# KiCad board AmigaPCI Mainboard.kicad_pcb (continued)
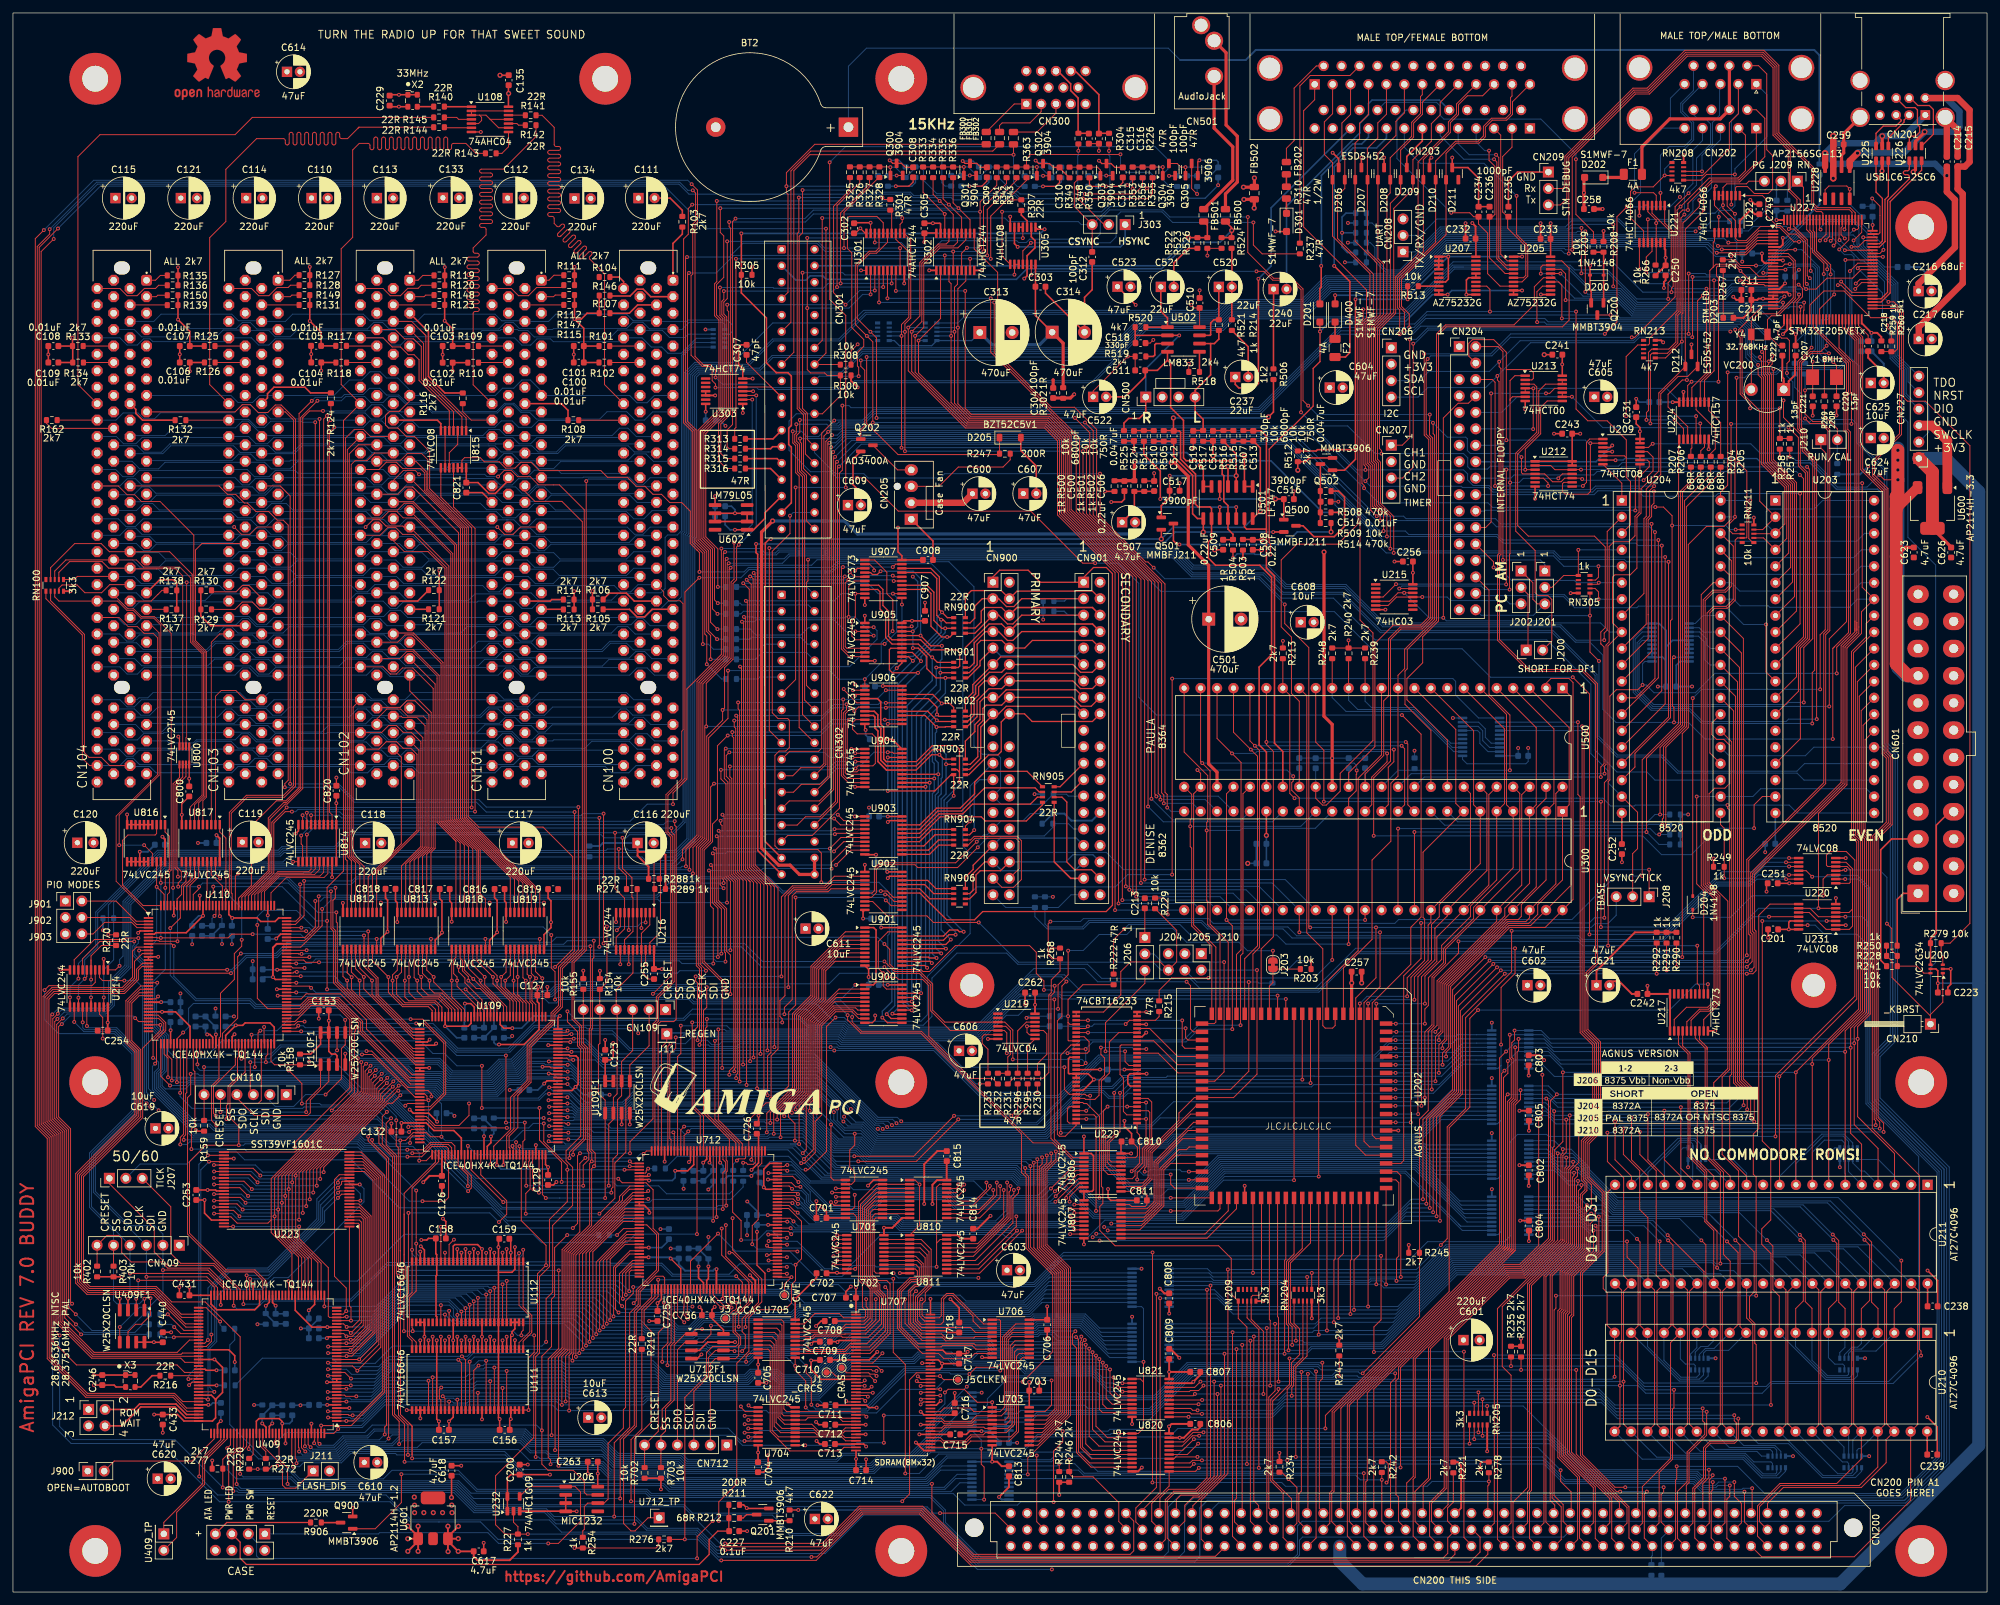
[diagram p0: board, top side]
## Routing (per net, layer and track width the routed paths; a pad name or vN(x,y) marks a point on that pad's centre or on a via; arc(x,y) is an arc through that point) (continued)
  Bottom w0.15: v1(49.93,104.95) 47.07,104.95 42.54,109.48 29.29,109.48 v1(28.73,108.92) 25.52,108.92 v1(25.51,108.92)
_LVFRAME: length 7.2
  Top w0.15: U110.137 26.34,108.96 27.38,110 U817.13
_LVIRDY: length 64.3
  Top w0.15: U817.12 26.72,111.02 v1(26.72,111.01) 26.72,109.77 26.04,109.09 26.04,107.72 25.34,107.02 U110.139 ; U109.11 62.05,81.94 49.78,94.21 49.78,102.17 49.4,102.55 49.4,106.79 49.78,107.17 49.78,108.75 v1(49.79,108.76)
  Bottom w0.15: v1(49.79,108.76) 44.12,108.76 42.44,110.44 33.75,110.44 33.17,111.01 v1(26.72,111.01)
_LVPERR: length 87.9
  Top w0.15: U109.37 63.82,66.61 v1(62.73,66.61) ; U110.143 23.34,107.74 v1(22.19,108.89) 22.18,108.9 U816.18
  Bottom w0.15: v1(62.73,66.61) 62.73,67.83 61.74,68.82 61.04,68.82 61.04,68.82 58.1,68.82 56.43,70.49 56,70.49 55.24,71.24 31.04,71.24 30.31,71.97 27.98,71.97 22.13,77.82 22.13,80.16 22.78,80.81 22.78,85.49 21.28,87 21.28,99.74 22.19,100.66 v1(22.19,108.89)
_LVRAS0: length 47.8
  Top w0.15: v1(163.23,55.28) 163.24,55.28 165.36,55.28 ; v1(120.17,55.26) 119.73,55.7 U712.87
  Bottom w0.15: v1(120.17,55.26) 120.53,55.62 132.33,55.62 132.44,55.51 153.94,55.51 154.18,55.28 v1(163.23,55.28)
_LVRAS1: length 48.6
  Top w0.15: U712.88 120.07,56.2 v1(120.08,56.19) ; v1(163.86,55.94) 163.87,55.94 U807.8
  Bottom w0.15: v1(120.08,56.19) 120.34,55.93 132.33,55.93 133.23,56.82 135.9,56.82 136.91,55.81 154.13,55.81 154.65,56.33 162.63,56.33 163.02,55.94 v1(163.86,55.94)
_LVSTOP: length 151.9
  Top w0.15: v1(61.63,20.65) 61.63,25.62 61.2,26.06 ; 60.4,58.36 60.4,50.61 ; 60.4,58.36 60.4,50.45 60.56,50.29 60.56,48.48 59.84,47.75 59.84,27.42 61.2,26.06 ; 60.4,58.36 60.4,61.57 65.23,66.4 U109.38 ; 61.62,21.29 61.62,25.63 61.2,26.06 ; 61.62,21.29 61.63,21.28 ; 61.62,21.29 61.62,21.18
  Bottom w0.15: v1(61.63,20.65) 76.11,20.65 80.02,16.74 100.5,16.74 101.38,15.87 143.89,15.87 145.55,17.52 U809.6
_LVSYSERR: length 195.9
  Top w0.13: 20.93,104.76 15.93,109.76 15.93,119.82 22.34,126.22 22.34,147.34 21.64,148.04 20.24,148.04 19.2,149.08 17.78,149.08 16.38,150.48 15.56,150.48
  Top w0.15: 15.56,150.48 CN104.B42 ; U110.1 20.93,104.76
  Bottom w0.13: 74.11,150.63 77.09,150.63 78.36,149.36 79.88,149.36 81,150.47 94.27,150.47 ; 94.35,150.55 97.62,150.55 98.84,151.77 99.95,151.77 101.16,152.98 102.5,152.98 103.18,153.66 103.18,163.5 103.46,163.78 103.46,190.9 104.8,192.24 RN101.6 ; CN101.B42 60.96,150.48 59.84,151.6 58.2,151.6 57.23,150.63 53.79,150.63 ; 33.47,150.63 36.45,150.63 37.71,149.37 39.15,149.37 40.26,150.48 53.63,150.48 ; CN104.B42 16.11,150.48 17.22,149.38 18.94,149.38 20.04,150.48 CN103.B42
_LVTRDY: length 75.6
  Top w0.15: U109.12 62.13,81.44 49.48,94.09 49.48,102.05 49.1,102.43 v1(49.1,108.21) ; v1(25.47,110.46) 25.47,111.36 25.02,111.81 25.02,124.68 26.21,125.87 U800.6
  Bottom w0.15: v1(25.47,110.46) 27.46,110.46 27.72,110.71 33.05,110.71 33.63,110.13 42.31,110.13 44.24,108.21 v1(49.1,108.21)
_LVTS: length 279
  Top w0.15: v1(60.99,21.18) 60.99,25.84 59.53,27.3 59.53,47.87 60.26,48.6 60.26,49.89 59.81,50.34 59.81,52.69 59.8,52.7 v1(59.8,69.74) 60.6,69.74 61.8,70.94 U109.33 63.83,70.94 64.46,70.31 v1(66.16,70.31) ; v1(43.22,19.36) 43.22,19.88 43.06,20.04 43.06,24.47 ; v1(64.62,76.53) 64.62,76.92 64.1,77.44 U109.20 ; U712.137 102.12,70.84 v1(101.97,70.99) ; U110.21 v1(22.28,94.09)
  Bottom w0.15: v1(101.97,70.99) 89.66,70.99 89.18,71.46 83.53,71.46 83.34,71.27 78.74,71.27 77.17,69.7 66.77,69.7 v1(66.16,70.31) 66.16,75.39 65.02,76.53 v1(64.62,76.53) ; U809.7 145.77,18.18 143.76,16.16 101.66,16.16 100.49,17.34 79.85,17.34 76.01,21.18 v1(60.99,21.18) 59.28,21.18 59.06,21.4 52.15,21.4 50.71,19.96 44.83,19.96 44.23,19.36 v1(43.22,19.36) ; v1(59.8,69.74) 59.1,69.74 56.7,72.14 32.87,72.14 32.16,72.85 27.95,72.85 22.73,78.07 22.73,79.91 23.38,80.56 23.38,85.74 21.88,87.24 21.88,93.32 22.28,93.73 v1(22.28,94.09)
_MC1: length 197.4
  Top w0.15: v1(160.18,103.54) 159.84,103.2 159.84,98.38 160.43,97.79 R268.1 161.67,95.88 160.32,94.52 160.32,92.57 159.93,92.18 159.93,80.22 159.03,79.32 154.45,79.32 153.6,78.46 ; v1(251.56,110.56) 251.56,128.5 257.18,134.12 257.18,177.09 257.27,177.19 U224.1
  Bottom w0.15: v1(251.56,110.56) 247.42,110.56 240.7,103.84 213.94,103.84 213.36,103.25 185.32,103.25 184.59,103.99 165.27,103.99 164.82,103.54 v1(160.18,103.54)
_MTR: length 90.9
  Top w0.15: v1(242.1,173.32) 242.09,173.33 240.38,173.33 ; U203.17 275.98,131.77 275.98,145.74 277.36,147.12 277.36,173.39 v1(277.01,173.74) ; U212.12 238.08,173.31 237.43,173.96 U212.2
  Bottom w0.15: v1(242.1,173.32) 248,173.32 248.41,173.74 v1(277.01,173.74)
_PACK: length 315.8
  Top w0.15: U204.24 262,129.57 262,151.19 262.71,151.9 264.65,151.9 265.92,153.17 265.92,162.44 266.26,162.78 RN211.4 267.62,162.78 267.71,162.87 267.71,173.1 v1(266.4,174.41) ; v1(211.3,175.8) 211.3,176.26 210.99,176.58 210.99,194.96 213.49,197.47 213.49,203.09 216.95,206.55 216.95,220.81 221.63,225.49 221.63,227.01 222.89,228.27 222.89,229.79 CN203.10 ; v1(120.4,179.24) 120.4,179.24 120.4,177.46 120.85,177.01 120.85,172.85 121.39,172.32 121.39,133.51 CN302.20
  Bottom w0.15: v1(120.4,179.24) 121.76,179.24 122.58,178.42 124.39,178.42 125.74,179.77 127.56,179.77 127.86,180.07 206.08,180.07 210.35,175.8 v1(211.3,175.8) 223.96,175.8 224.62,175.14 224.62,173.77 224.98,173.41 227.67,173.41 228.11,173.85 232.78,173.85 232.79,173.86 247.91,173.86 248.46,174.41 v1(266.4,174.41)
_PCIBUFEN: length 91.6
  Top w0.15: U110.7 22.2,101.09 22.28,101.01 v1(22.83,101.01) 33.22,101.01 33.8,101.6 33.81,101.59 v1(37.01,101.59) ; v1(81.34,100.85) U819.19 ; v1(56.16,100.85) 56.16,100.29 56.16,100.28 U812.19 ; v1(72.94,100.85) 72.94,100.13 72.94,100.12 U818.19 ; v1(64.54,100.85) U813.19 ; U817.19 31.28,110.88 v1(31.98,110.18) ; U816.19 v1(22.83,109.52)
  Bottom w0.15: v1(22.83,101.01) v1(22.83,109.52) 26.94,109.52 27.6,110.18 v1(31.98,110.18) ; v1(81.34,100.85) v1(72.94,100.85) v1(64.54,100.85) v1(56.16,100.85) 45.13,100.85 44.4,101.59 v1(37.01,101.59)
_PCICYCLE: length 27.3
  Top w0.15: U110.79 44.18,89.59 45.76,91.17 50.07,91.17 53.38,87.86 53.38,86.44 61.39,78.44 U109.18
_PCIEN: length 59.7
  Top w0.15: v1(61.04,71.81) 61.17,71.94 U109.31 ; v1(22.4,91.97) 22.02,91.59 U110.26
  Bottom w0.15: v1(22.4,91.97) 22.18,91.74 22.18,87.37 23.68,85.86 23.68,80.44 23.03,79.79 23.03,78.2 23.53,77.69 26.6,77.69 27.34,78.44 50.41,78.44 53.18,75.66 57.58,75.66 61.04,72.2 v1(61.04,71.81)
_PCIINT: length 100.6
  Top w0.15: U815.8 66.07,169.09 70.82,164.34 v1(70.82,121.16) ; U110.117 36.34,107.52 39.97,111.16 39.97,118.87 v1(42.26,121.16)
  Bottom w0.15: v1(42.26,121.16) v1(70.82,121.16)
_PCIINTEN: length 33.9
  Top w0.15: v1(35.28,82.34) 35.28,83.21 35.34,83.27 U110.62 ; v1(53.89,83.01) 55.49,83.01 62.06,76.44 U109.22
  Bottom w0.15: v1(53.89,83.01) 52.27,83.01 51.1,84.18 41.39,84.18 39.56,82.34 v1(35.28,82.34)
_PCIRST: length 223.7
  Top w0.15: v1(68.81,96.53) 68.81,95.79 69.78,94.81 69.78,94.08 72.43,91.44 72.43,90.11 72.73,89.81 U109.128 ; CN102.A15 61.26,183.94 59.65,182.32 58.16,182.32 57.52,181.68 57.52,180.22 58,179.75 59.43,179.75 60.72,178.46 61.99,178.46 64.34,176.11 64.34,170.4 70.3,164.44 70.3,119.74 71.92,118.12 81.85,118.12 86.42,113.55 86.42,99.24 v1(83.7,96.53)
  Bottom w0.13: CN104.A15 33.66,184.77 34.76,183.67 36.97,183.67 38.07,184.77 CN103.A15 ; 61.26,184.76 74.46,184.76 75.59,185.89 ; CN102.A15 61.26,185.61 59.41,187.47 57.66,187.47 56.7,188.43 55.12,188.43 53.85,187.16 51.94,187.16 49.56,184.77 40.93,184.77
  Bottom w0.15: 81.57,184.76 95.23,184.76 96.35,183.65 97.9,183.65 99.02,184.76 101.89,184.76 ; 75.59,185.89 77.31,185.89 78.58,187.16 79.88,187.16 81.58,185.46 ; v1(83.7,96.53) v1(68.81,96.53)
_PCITIP: length 71.2
  Top w0.15: U110.138 25.84,104.07 v1(24.29,102.52) ; U109.26 64.34,74.44 66.81,76.91 66.81,84.91 63.26,88.46 v1(61.4,88.46)
  Bottom w0.15: v1(61.4,88.46) 53.65,88.46 51.66,90.44 37.45,90.44 36.58,91.31 28.19,91.31 24.29,95.22 v1(24.29,102.52)
_PERR: length 134.3
  Top w0.13: U816.2 22.83,149.3 21.74,150.39 19.74,150.39 18.54,151.59 17.59,151.59 16.15,153.02 CN104.B40
  Top w0.15: CN104.B40 7.09,153.02 6.45,153.67 RN100.3
  Bottom w0.13: CN104.B40 16.51,153.02 17.62,151.91 18.53,151.91 19.51,152.89 33.19,152.89 ; 53.64,153.01 57.14,153.01 58.26,151.9 59.27,151.9 60.23,152.86 71.65,152.86 71.81,153.02 CN101.B40 ; 33.31,153.02 36.82,153.02 37.93,151.91 39.51,151.91 40.48,152.88 53.49,152.88 ; 94.12,152.87 81.12,152.87 80.15,151.9 78.57,151.9 77.45,153.01 73.95,153.01
_PLOCK: length 185.9
  Top w0.13: 15.54,154 17.73,151.82 18.64,151.82 19.84,150.62 21.84,150.62 24.43,148.03 24.43,111.48 24.19,111.24 24.19,108.06 23.84,107.71 U110.142
  Bottom w0.13: 56.11,154.22 53,154.22 51.96,153.18 40.48,153.18 39.37,154.29 CN103.B39 ; 103.22,183.2 103.22,190.98 105.2,192.96 RN101.7 ; 76.5,154.28 80,154.28 81.12,153.17 92.43,153.17 93.47,154.21 96.74,154.21 ; 35.71,154.14 30.7,154.14 29.68,153.12 20.22,153.12 19.05,154.29 CN104.B39 ; 56.18,154.28 59.68,154.28 60.86,153.11 70.31,153.11 71.33,154.13 76.34,154.13 ; 103.22,164.09 103.22,163.87 102.58,163.23 101.08,163.23 100.69,162.84 100.69,154.95 100.03,154.29 CN100.B39
  Bottom w0.15: 103.22,164.09 103.22,183.2
_RAMEN: length 124.9
  Top w0.15: v1(162.92,99.04) 162.92,95.32 161.37,93.77 v1(161.37,90.05) ; J203.1 v1(194.54,99.03) ; v1(101.53,84.68) 101.12,84.27 U712.139
  Bottom w0.15: v1(162.92,99.04) 162.94,99.06 165.24,99.06 167.71,101.53 171.98,101.53 172.93,102.49 179.07,102.49 181.22,100.34 189.3,100.34 190.61,99.03 v1(194.54,99.03) ; v1(161.37,90.05) 156.24,90.05 155.25,89.06 153.38,89.06 149.45,85.13 128.11,85.13 127.5,85.73 104.88,85.73 103.82,84.68 v1(101.53,84.68)
_RAMSPACE: length 82.2
  Top w0.15: U409.48 42.58,47.62 42.56,47.64 v1(42.56,48.02) ; U712.130 105.62,55.28 v1(105.61,55.27)
  Bottom w0.15: v1(42.56,48.02) 53.18,48.02 60.4,55.24 80.32,55.24 81.61,53.95 94.79,53.95 96.11,55.27 v1(105.61,55.27)
_RAS0: length 21.4
  Top w0.15: U202.57 188.91,59.18 184.36,54.63 U807.11
_RAS1: length 20
  Top w0.15: 171.08,55.28 184.06,55.28 187.64,58.87 U202.56
_REGEN: length 122.1
  Top w0.15: J11.1 100.95,84.95 100.12,84.12 U712.141 ; U202.23 v1(196.53,91.57)
  Bottom w0.15: v1(196.53,91.57) 161.98,91.57 161.51,92.04 155.51,92.04 149.2,85.73 128.36,85.73 127.75,86.33 103.64,86.33 ; 103.64,86.33 100.76,86.33 ; 103.64,86.33 101.09,86.33
_REGSPACE: length 106.7
  Top w0.15: v1(35.08,18.25) 35.08,21.49 36.08,22.49 U409.120 ; v1(93.76,14.44) 93.76,23.54 94.94,24.73 94.94,24.74 95.94,25.73 95.94,43.38 96.84,44.28 96.84,46.38 99.23,48.77 100.37,48.77 100.62,48.52 U712.41
  Bottom w0.15: v1(93.76,14.44) 71.13,14.44 68.69,16.88 43.91,16.88 43.01,17.78 35.55,17.78 v1(35.08,18.25)
_REQ0: length 116.2
  Top w0.13: v1(49.61,179.86) 48.87,179.11 48.87,120.44 49.28,120.03 U814.2 ; R108.1 94.28,180.96
  Bottom w0.13: v1(49.61,179.86) 54.1,179.86 55.08,180.84 56.96,180.84 57.94,179.86 59.41,179.86 60.35,180.8 61.72,180.8 62.66,179.86 74.42,179.86 75.4,180.84 77.09,180.84 78.07,179.86 80.07,179.86 81.11,180.9 94.22,180.9
_REQ1: length 96.3
  Top w0.13: CN101.B18 70.75,180.96 69.45,182.27 R116.1
  Top w0.15: v1(48.47,181.62) 47.97,181.12 U814.4
  Bottom w0.13: v1(48.47,181.62) 48.92,182.07 54.36,182.07 55.3,181.13 56.93,181.13 57.88,182.08 59.57,182.08 60.52,181.13 73.8,181.13
_REQ2: length 69.8
  Top w0.13: v1(49.04,180.96) 49.04,181.54 49.09,181.59 R124.1
  Top w0.15: U814.3 48.62,180.55 v1(49.04,180.96)
  Bottom w0.13: CN102.B18 v1(49.04,180.96)
_REQ3: length 83
  Top w0.13: R132.1 33.32,180.96
  Top w0.15: U814.6 46.68,180.63 v1(46.67,180.64)
  Bottom w0.13: v1(46.67,180.64) 44.68,180.64 44.52,180.8 39.8,180.8 38.86,179.86 37.61,179.86 36.39,181.08 33.44,181.08
_REQ4: length 106.1
  Top w0.13: 6.54,180.97 13,180.97
  Top w0.15: U814.5 47.32,181.13 v1(47.34,181.15)
  Bottom w0.13: v1(47.34,181.15) 39.78,181.15 38.86,182.07 37.92,182.07 36.65,183.34 35.41,183.34 34.17,182.1 22.79,182.1 21.87,181.18 20.19,181.18 19.3,182.07 17.01,182.07 15.91,180.96 CN104.B18
_RESETA: length 424.9
  Top w0.15: v1(269.15,45.76) 269.14,45.76 269.14,64.07 268.71,64.51 268.71,70.73 269.55,71.57 269.55,104.5 271.28,106.23 275.74,106.23 ; v1(108.98,10.98) 108.98,13.92 111.76,16.7 111.76,35.33 113.63,37.2 113.63,42.39 114.84,43.6 119.18,43.6 120.21,44.62 120.21,47.47 120.83,48.1 v1(120.83,50.54) 121.75,51.46 121.75,57.25 119.78,59.22 118.06,59.22 ; U409.62 v1(35.58,44.46) ; v1(238.23,45.76) 238.23,43.83 237.95,43.55 237.95,14.9 239.35,13.5 239.35,10.89 240.59,9.65
  Bottom w0.15: v1(238.23,45.76) v1(269.15,45.76) ; v1(108.98,10.98) 117.72,10.98 119.96,8.74 127.78,8.74 131.24,12.2 140.63,12.2 143.82,9.01 143.92,9.01 148.89,4.04 196.96,4.04 198.64,5.72 198.64,8.01 199.12,8.49 239.43,8.49 240.59,9.65 ; v1(35.58,44.46) 37.89,44.46 38.67,45.24 52.15,45.24 57.8,50.89 79.2,50.89 79.3,50.99 92.09,50.99 92.31,50.77 100.19,50.77 101.89,49.07 110.59,49.07 112.19,50.68 117.73,50.68 117.81,50.76 120.16,50.76 120.38,50.54 v1(120.83,50.54)
_RESETB: length 456.5
  Top w0.15: U109.25 64.42,74.94 66.51,77.03 66.51,84.79 63.49,87.81 v1(62.26,87.81) ; U902.5 126.29,108.59 125.84,108.14 125.84,108.14 120.97,108.14 120.31,107.49 120.31,91.49 119.11,90.29 v1(119.11,89.23) ; U209.12 252.53,176.75 253.09,177.31 v1(253.18,177.31) ; v1(26.28,86.4) 25.34,85.46 U110.42 ; v1(285.52,171.23) 285.52,155.16 U203.34 285.41,151.36 285.41,148.02 283.17,145.78 283.17,124.65 278.77,120.25 v1(278.77,105.58) U231.6
  Bottom w0.15: v1(285.52,171.23) 281.49,171.23 276.86,175.86 269.76,175.86 268.32,177.31 v1(253.18,177.31) ; v1(26.28,86.4) 27.12,87.24 27.12,90.14 27.86,90.88 36.59,90.88 37.33,90.14 51.54,90.14 53.88,87.81 v1(62.26,87.81) 64.84,87.81 68.67,83.97 76.48,83.97 80.81,88.3 103.64,88.3 104.57,89.23 v1(119.11,89.23) 121.08,89.23 122.77,87.53 128.25,87.53 128.85,86.93 148.7,86.93 157.08,95.31 162.36,95.31 164.73,92.94 201.51,92.94 207.44,98.87 262.83,98.87 269.54,105.58 v1(278.77,105.58) ; U204.34 265.64,153.32 266.67,152.29 271.02,152.29 271.26,152.06 283.55,152.06 284.81,153.32 U203.34
_ROMEN: length 257.4
  Top w0.15: v1(40.81,19.51) 40.03,19.51 39.49,18.98 R272.2 ; v1(247.29,33.24) U210.20 246.13,41.19 246.13,46.27 245.54,46.86 245.54,48.59 246.25,49.3 246.25,61.76 U211.20 ; v1(160.67,13.91) 160.67,13.91 160.67,21.75 162.08,23.17 v1(162.08,24.84)
  Bottom w0.15: v1(160.67,13.91) 155.58,13.91 155.1,13.43 146.95,13.43 145.19,15.2 98.59,15.2 97.93,15.87 71.68,15.87 68.75,18.8 58.52,18.8 57.2,17.48 44.3,17.48 42.27,19.51 v1(40.81,19.51) ; v1(162.08,24.84) 169.07,24.84 169.36,25.13 173.96,25.13 182.14,33.31 197.45,33.31 197.91,32.85 246.9,32.85 v1(247.29,33.24)
_RSTOUT: length 167.1
  Top w0.15: CN200.c41 256.71,8.14 256.71,17.29 256.88,17.46 v1(256.88,19.4) ; v1(282.9,110.09) U220.2 ; v1(282.93,104.28) 278.77,104.28 277.47,105.58 275.74,105.58
  Bottom w0.15: v1(282.93,104.28) 285.54,104.28 286.4,103.41 286.4,102.85 286.4,103 ; 286.4,103 286.4,75.52 297.09,64.83 297.09,20.85 291.47,15.22 270.47,15.22 266.29,19.4 v1(256.88,19.4) ; 286.4,103 286.4,108.61 284.93,110.09 v1(282.9,110.09)
_RTCEN: length 496
  Top w0.15: v1(6.92,89.3) 6.15,88.53 6.15,73.01 8,71.16 8,42.33 9.75,40.58 9.75,40.56 v1(10.52,39.79) ; v1(256.46,144.35) 256.22,144.11 256.22,136.84 256.46,136.6 v1(256.46,134.29) ; 281.25,145.99 280.96,145.7 ; 281.25,145.99 283.4,148.14 283.4,179.01 283,179.42 283,184.89 283.4,185.29 283.4,189.82 277.95,195.27 U227.35 ; 281.25,145.99 280.98,145.72 v1(280.98,131.72) ; v1(103.38,113.14) 103.38,114.63 105.62,116.88 105.62,140.6 109.68,144.66 109.68,160.34 v1(109.95,160.61)
  Bottom w0.15: v1(109.95,160.61) 109.95,160.61 115.47,160.61 115.92,160.16 117.86,160.16 118.31,160.6 179.4,160.6 182.03,157.97 193.42,157.97 196.41,154.98 205.58,154.98 211.51,149.05 238.87,149.05 241.24,146.68 243.48,146.68 245.48,144.68 245.48,136.32 247.51,134.29 v1(256.46,134.29) 258.69,134.29 261.26,131.72 v1(280.98,131.72) ; v1(6.92,89.3) 7.48,89.86 14.08,89.86 15.05,90.83 15.05,94.12 17.6,96.67 17.6,106.42 23.32,112.14 102.39,112.14 102.9,112.65 102.9,112.66 v1(103.38,113.14) ; v1(256.46,144.35) 256.46,144.35 U201.19 ; v1(10.52,39.79) R275.2
_RxD: length 106.9
  Top w0.15: U205.19 239.14,205.56 240.27,204.43 240.27,196.41 239.23,195.37 221.31,195.37 220.1,194.16 220.1,149.95 217.66,147.51 217.66,143.49 215.23,141.06 215.23,137.79 221.47,131.55 U500.41
_SEL0: length 98.1
  Top w0.15: v1(274.14,179.81) 275.67,178.28 275.67,173.89 276.75,172.8 276.75,147.37 275.38,145.99 275.38,141.33 U203.13 ; v1(240.7,184.57) U213.9 U213.10
  Bottom w0.15: CN204.10 229.85,182.16 232.26,184.57 v1(240.7,184.57) 245.47,179.81 274.14,179.81 v1(274.14,179.81)
_SEL1: length 108.6
  Top w0.15: U203.14 275.68,139.09 275.68,145.86 277.06,147.24 277.06,172.93 275.97,174.01 275.97,178.79 273.37,181.39 v1(273.37,184.01) ; v1(234.73,179.57) 234.73,185.85 v1(234.75,185.88) U213.4 U213.5
  Bottom w0.15: v1(234.75,185.88) 255.31,185.88 257.17,184.01 v1(273.37,184.01) ; v1(234.73,179.57) 234.68,179.62 CN204.12
_SIDE: length 55.9
  Top w0.15: U203.12 270.68,142.07 v1(270.68,149.41)
  Bottom w0.15: 226.19,153.88 233.69,153.88 233.85,153.71 239.41,153.71 241.13,151.99 250.74,151.99 250.99,152.24 264.37,152.24 267.2,149.41 v1(270.68,149.41)
_SPIAEN: length 293.4
  Top w0.15: R292.2 v1(253.79,95.48) ; v1(267.7,95.48) 268.65,95.48 269.13,95.96 269.13,102.05 268.9,102.28 268.9,110.81 282.87,124.78 282.87,145.91 285,148.04 285,149.02 285,149.02 285,193.55 283.45,195.1 U227.46 ; v1(220.33,57.32) 220.33,73.47 223.78,76.92 223.78,88.92 v1(230.34,95.48)
  In3.Cu w0.15: v1(167.79,54.27) 167.79,53.58 161.34,47.13 161.34,38.67 159.63,36.97 159.63,18.19 159.3,17.85 159.3,12.17
  Bottom w0.15: v1(220.33,57.32) 214.67,57.32 211.62,54.27 v1(167.79,54.27) ; v1(267.7,95.48) v1(253.79,95.48) v1(230.34,95.48)
_SPIBEN: length 301.6
  Top w0.15: 284.7,149.71 284.7,148.54 ; 284.7,149.71 284.7,148.56 284.7,148.55 284.7,148.16 282.57,146.03 282.57,124.9 268.61,110.94 268.61,102.02 268.83,101.79 268.83,96.5 v1(268.33,96) ; 284.7,149.71 284.7,193.43 282.95,195.18 U227.45 ; R291.2 255.31,96.01 v1(255.32,96) ; v1(219.81,58.03) 219.81,73.34 219.79,73.36 223.48,77.04 223.48,89.75 v1(229.73,96)
  In3.Cu w0.15: v1(166.71,54.8) 166.71,53.35 160.74,47.38 160.74,38.92 159.04,37.21 159.04,18.44 155.48,14.88 155.48,8.37 156.76,7.09
  Bottom w0.15: v1(166.71,54.8) 166.72,54.79 211.72,54.79 214.96,58.03 v1(219.81,58.03) ; v1(229.73,96) v1(255.32,96) v1(268.33,96)
_SPICEN: length 297.3
  Top w0.15: U227.44 282.45,195.25 284.4,193.31 284.4,149.94 ; 284.4,149.94 284.4,148.43 284.4,148.43 ; 284.4,149.94 284.4,148.28 282.27,146.15 282.27,125.02 268.31,111.06 268.31,101.82 268.53,101.59 268.53,97.35 v1(267.7,96.53) ; R290.2 256.84,96.54 v1(256.85,96.53) ; v1(219.28,58.65) 219.28,73.27 223.18,77.17 223.18,90.51 v1(229.14,96.47)
  In3.Cu w0.15: 156.76,9.63 158.05,10.92 158.05,17.03 159.33,18.31 159.33,37.09 161.04,38.8 161.04,47.26 167.26,53.48 v1(167.26,55.32)
  Bottom w0.15: 167.49,55.32 167.49,55.32 167.7,55.32 ; 167.7,55.32 v1(167.26,55.32) ; 167.7,55.32 211.82,55.32 215.15,58.65 v1(219.28,58.65) ; v1(229.14,96.47) 229.2,96.53 v1(256.85,96.53) v1(267.7,96.53)
_STEP: length 76.4
  Top w0.15: U203.10 275.93,149.5 v1(275.93,169.63)
  Bottom w0.15: v1(275.93,169.63) 275.92,169.63 263.28,169.63 262.86,169.21 251.71,169.21 250.88,170.05 244.71,170.05 244.12,169.46 CN204.20
_STMRST: length 90
  Top w0.15: J210.1 279.15,176.64 279.82,175.97 279.82,148.61 279.03,147.82 v1(279.03,139.39) ; D204.2 v1(259.36,138.03)
  Bottom w0.15: v1(279.03,139.39) 260.72,139.39 v1(259.36,138.03)
_STOP: length 297
  Top w0.13: v1(156.69,18.17) 156.69,20.71 163.28,27.3 163.28,50.05 159.65,53.68 159.65,65.03 161.55,66.93 161.55,68.35 160.53,69.36 157.5,69.36 140.28,86.59 131.03,86.59 129.57,88.05 v1(129.57,88.79) ; v1(98.81,92.38) 101.51,95.07 101.51,116.6 100.83,117.28 100.83,123.14 103.26,125.57 103.26,132.94 103.47,133.15 103.47,152.61 103.01,153.07 101.26,153.07 100.48,153.85 100.48,154.45 CN100.A38
  Top w0.15: CN104.A38 14.94,155.56 13.69,154.31 11.11,154.31 9.91,155.51 7.59,155.51 7.09,155.01 RN100.4
  Bottom w0.13: 99.35,155.55 96.5,155.55 95.39,154.44 93.81,154.44 92.84,155.41 79.17,155.41 ; 58.71,155.56 55.87,155.56 54.75,154.45 53.17,154.45 52.2,155.42 38.54,155.42 ; 58.86,155.41 72.53,155.41 73.5,154.44 75.08,154.44 76.19,155.55 79.04,155.55 ; v1(156.69,18.17) 156.69,18.18 U809.14 ; v1(129.57,88.79) 129.57,89.62 127.76,91.43 105.62,91.43 104.68,92.38 v1(98.81,92.38) ; 18.23,155.42 31.89,155.42 32.86,154.45 34.44,154.45 35.56,155.56 CN103.A38
_TACK: length 360.8
  Top w0.15: v1(93.46,63.81) 94.07,63.2 U712.7 97.76,63.2 98.84,62.12 98.84,56.15 99.66,55.33 99.66,49.62 96.54,46.5 96.54,44.4 95.22,43.09 95.22,25.44 92.84,23.06 92.84,11.67 v1(92.83,11.66) ; U109.21 63.55,76.94 63.93,76.57 63.93,76.18 v1(64.17,75.94) 64.16,75.94 U109.23 ; U110.93 42.99,96.59 43.21,96.37 v1(45.02,96.37) ; U110.75 43.46,87.59 43.96,88.09 v1(45.03,88.09) ; v1(34.54,16.68) 34.54,21.38 35.58,22.42 U409.119 ; v1(109.36,6.99) 124.85,6.99 130.81,12.95 140.34,12.95 148.07,5.22 220.77,5.22 221.53,5.98 221.53,8.37 222.81,9.65 221.51,10.95 221.51,13 222.39,13.88 R221.2
  In2.Cu w0.15: v1(45.75,81.9) 45.03,82.62 v1(45.03,88.09) 45.03,96.36 v1(45.02,96.37)
  Bottom w0.15: v1(109.36,6.99) 108.6,6.99 105.74,9.85 97.95,9.85 96.14,11.66 v1(92.83,11.66) 83.56,11.66 82.36,12.86 71.44,12.86 68.32,15.97 35.24,15.97 v1(34.54,16.68) ; v1(45.75,81.9) 49.7,81.9 53.89,77.71 58.07,77.71 59.85,75.94 v1(64.17,75.94) 64.17,75.93 64.17,71.19 71.46,63.89 93.38,63.89 v1(93.46,63.81)
_TBI: length 422.5
  Top w0.15: v1(175.94,16.92) 175.95,16.93 v1(175.95,52.44) ; 227.89,18.42 v1(227.89,17.08) 227.89,16.56 227.72,16.39 CN200.a30 ; U109.19 60.99,77.94 55.39,83.53 v1(54.59,83.53) ; v1(95.96,10.53) 95.96,23.63 98.53,26.21 98.53,40.3 97.45,41.38 97.45,43.48 99.62,45.65 U712.39 99.62,48.22 v1(99.62,48.22) ; U110.34 22.74,87.59 v1(22.76,87.57) 22.76,86.72 20.03,83.98 20.03,73.26 10.88,64.12 10.88,48.2 11.92,47.17 22.14,47.17 24.51,44.8 29.69,44.8 35.08,39.41 U409.118 35.08,22.34 34.01,21.27 v1(34.01,15.6)
  Bottom w0.15: v1(54.59,83.53) 52.19,83.53 51.24,84.48 41.26,84.48 39.87,83.08 32.44,83.08 31.8,82.44 25.11,82.44 23.98,83.57 23.98,85.99 23.13,86.83 23.13,87.2 v1(22.76,87.57) ; v1(175.94,16.92) 177.04,16.92 177.04,16.92 195.89,16.92 196.48,16.33 218.37,16.33 219.12,17.08 v1(227.89,17.08) ; v1(99.62,48.22) 119.59,48.22 120.03,47.78 157.55,47.78 162.21,52.44 v1(175.95,52.44) ; v1(95.96,10.53) 83.84,10.53 82.11,12.26 71.19,12.26 68.07,15.38 34.81,15.38 34.59,15.6 v1(34.01,15.6)
_TCI: length 375.8
  Top w0.15: v1(33.31,13.94) 33.31,21 34.58,22.27 U409.117 ; v1(18.87,88.62) 19.4,88.09 U110.33 ; R276.2 103.74,8.13 v1(103.74,8.13) 103.74,30.05 107.07,33.38 107.07,36.96 108.02,37.91 111.6,37.91 112.06,38.36 112.06,39.29 111.18,40.17 111.18,42.82 112.31,43.95 112.31,45.14 112.12,45.33 U712.64 ; v1(9.12,44.53) 8.9,44.75 8.9,71.53 7.05,73.38 7.05,87.32 7.43,87.7 v1(7.54,87.7) ; CN200.c30 227.72,5.84 225.9,4.02 148,4.02 139.97,12.05 131.18,12.05 124.02,4.89 v1(109.36,4.89)
  Bottom w0.15: v1(9.12,44.53) 6.13,41.54 6.13,25.79 8.98,22.94 22.9,22.94 31.14,14.7 ; v1(7.54,87.7) 8.8,88.96 18.53,88.96 v1(18.87,88.62) ; 31.08,14.75 31.89,13.94 v1(33.31,13.94) 58.22,13.94 61.34,10.83 65.76,10.83 65.78,10.82 65.79,10.83 72.19,10.83 74.89,8.13 v1(103.74,8.13) 105.76,8.13 109,4.89 v1(109.36,4.89)
_TEA: length 329
  Top w0.15: CN200.c28 222.64,5.84 221.72,4.92 147.95,4.92 140.22,12.65 130.93,12.65 124.75,6.46 v1(109.95,6.46) ; U409.116 34.08,22.19 32.4,20.51 v1(32.4,16.15) ; U110.10 19.08,99.59 18.47,98.97 18.47,94.94 16.85,93.33 6,93.33 4.65,91.98 4.65,72.39 6.5,70.54 6.5,40.35 v1(7.21,39.64)
  Bottom w0.15: v1(109.95,6.46) 108.7,6.46 105.62,9.55 97.83,9.55 96.25,11.13 83.67,11.13 82.24,12.56 71.31,12.56 68.2,15.68 35,15.68 34.52,16.15 v1(32.4,16.15) 25.01,23.54 9.23,23.54 7.21,25.56 v1(7.21,39.64)
_TRDY: length 132.2
  Top w0.13: U800.3 26.21,156.91 25.11,158.01 22.22,158.01
  Top w0.15: RN100.7 7.09,157.46 8.75,159.12 13.77,159.12 14.78,158.1 CN104.A36 ; 22.22,158.01 18.18,158.01
  Bottom w0.13: CN103.A36 34.9,158.1 33.78,156.98 32.11,156.98 23.42,156.98 22.44,157.96 18.23,157.96 ; 58.71,158.1 55.21,158.1 54.09,156.98 43.73,156.98 42.75,157.96 38.54,157.96 ; 79.17,157.95 83.38,157.95 84.36,156.97 94.72,156.97 95.84,158.09 99.35,158.09 ; 79.04,158.09 75.54,158.09 74.41,156.97 64.05,156.97 63.07,157.95 58.86,157.95
_TS: length 67.5
  Top w0.15: R242.2 v1(211.35,17.33) 211.35,10.95 212.65,9.65
  Bottom w0.15: U809.13 164.5,18.82 165.28,18.05 207.31,18.05 208.03,17.33 v1(211.35,17.33)
_TxD: length 96.4
  Top w0.15: U500.40 218.93,133.06 214.93,137.06 214.93,142.22 215.28,142.57 215.28,145.55 219.8,150.07 219.8,194.28 221.19,195.67 231.76,195.67 234.9,198.81 234.9,201.55 236.31,202.95 U205.15
_U109EN: length 270.2
  Top w0.15: v1(263.85,207.33) 263.88,207.3 267.5,207.3 ; 98.33,99.17 98.33,100.27 99.97,101.91 v1(99.97,113.51) ; U227.3 269.4,209.2 267.86,207.66 ; 267.79,207.6 267.5,207.3 ; 267.79,207.6 267.86,207.66 ; 267.79,207.6 267.5,207.3 ; 267.86,207.66 267.5,207.3
  Bottom w0.15: v1(99.97,113.51) 102.08,113.51 104.67,116.1 104.67,162.89 104.95,163.17 104.95,187.86 105.78,188.69 115.39,188.69 117.34,190.64 129.77,190.64 130.96,191.83 169.41,191.83 174.29,196.71 186.23,196.71 187.92,198.41 199.49,198.41 203.11,202.02 214.99,202.02 221.35,208.39 261.8,208.39 262.85,207.33 263.84,207.33 v1(263.85,207.33)
